# Altium PCB miniBackplane.PcbDoc (part 20 of 24) (continued)
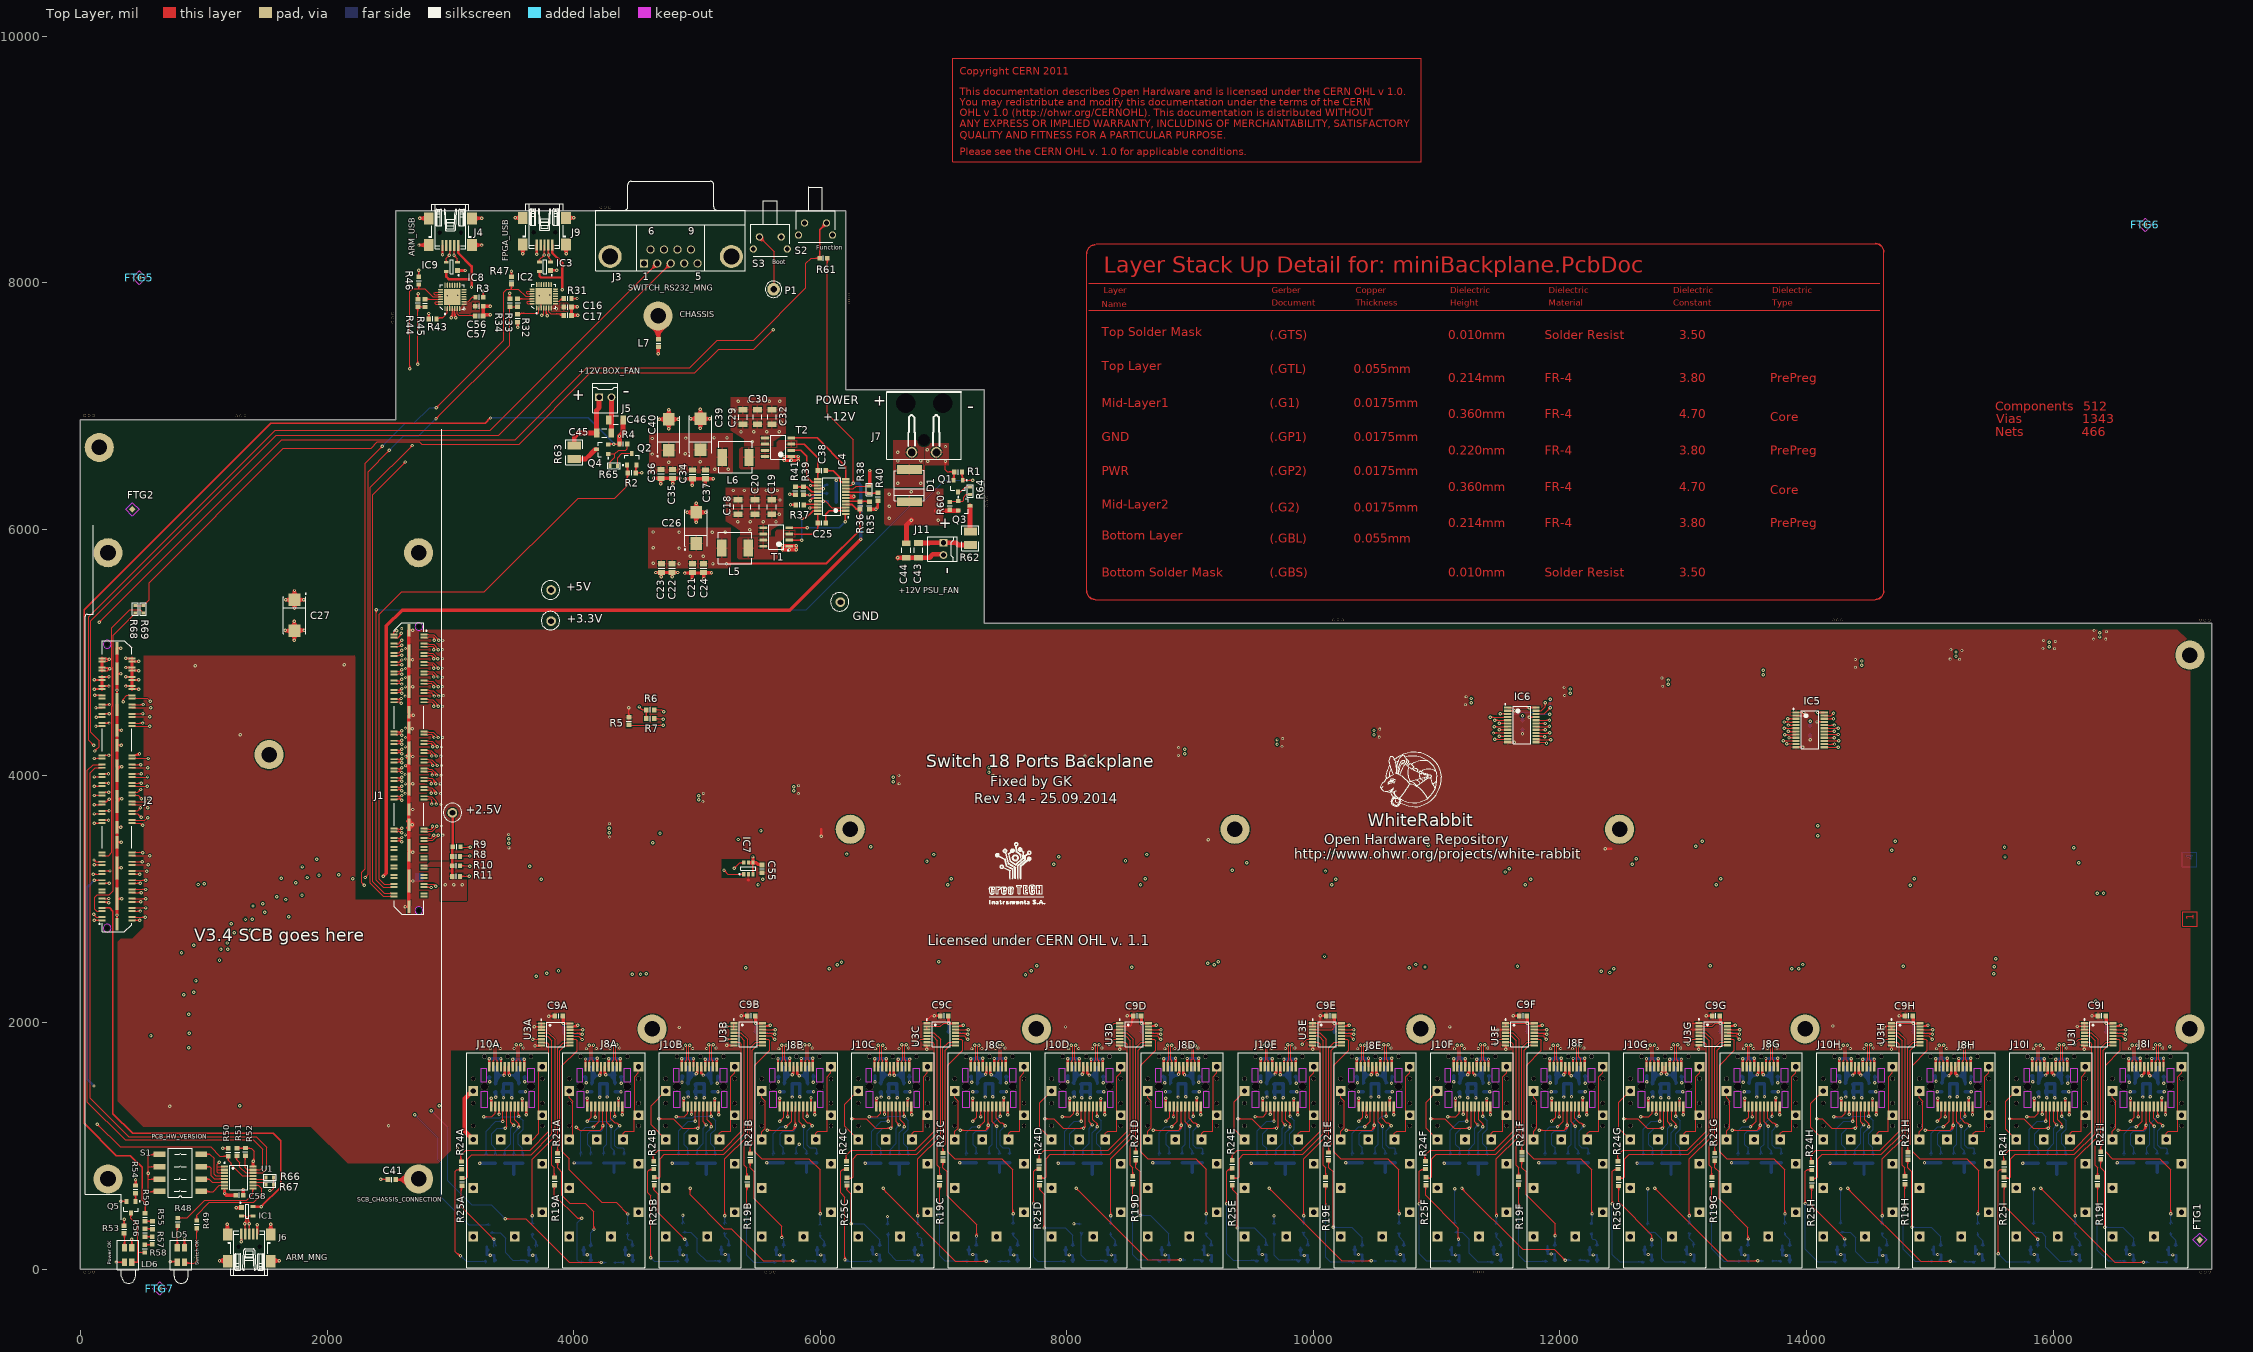
[diagram p0: Top Layer view]
## Nets (pads, with @x,y where several pads share a name; then routed paths per layer and width w, separated by ;. In a path a pad name is that pad's centre, name@x,y a point inside that pad or via, vN(x,y) a via of type N, cw(c..) or ccw(c..) an arc to the next point about the centre after c; other vN are vias at no path point) (continued)
NetLD2D_2: LD2D.2 R19D.2 | length 1418.4
  Top Layer w7.87: v1(8536.13,510.57) R19D.2@8536.13,682.13 ; 8536.13,534.33 ccw(c8559.89,534.33) 8543.09,517.53 cw(c8559.89,534.33) 8536.13,534.33 ; 8536.13,534.33 cw(c8512.36,534.33) 8529.17,517.53 ccw(c8512.36,534.33) 8536.13,534.33 ; R19D.2@8526.1,679.24 cw(c8501.89,655.03) 8536.13,655.03 ccw(c8501.89,655.03) R19D.2@8526.1,679.24 ; 8536.13,656.4 cw(c8568.42,656.4) 8545.59,679.24 ccw(c8568.42,656.4) 8536.13,656.4
  Bottom Layer w7.87: v1(8536.13,510.57) 8535.84,510.29 8535.84,114.18 8575.21,74.81 LD2D.2@8770.09,74.81 ; 8739.16,69.88 ccw(c8745.5,80.86) LD2D.2@8755.76,73.41 ; 8746.73,65.51 ccw(c8752.61,75.7) LD2D.2@8762.13,68.78 ; 8748.18,64.68 cw(c8743.02,55.75) LD2D.2@8752.98,58.41 ; v1@8529.17,503.61 cw(c8513.05,487.49) 8535.84,487.49 ccw(c8513.05,487.49) v1@8529.17,503.61 ; 8535.84,486.12 cw(c8560.57,486.12) 8543.09,503.61 ccw(c8560.57,486.12) 8535.84,486.12 ; 8698.81,74.81 cw(c8698.81,-8.29) 8757.57,50.47 ccw(c8698.81,-8.29) 8698.81,74.81 ; 8717.82,74.81 cw(c8717.82,10.72) 8763.13,56.04 ccw(c8717.82,10.72) 8717.82,74.81 ; 8736.83,74.81 cw(c8736.83,29.73) 8768.7,61.61 ccw(c8736.83,29.73) 8736.83,74.81
NetLD2D_3: LD2D.3 R21D.2 | length 1315.8
  Top Layer w7.87: R21D.2@8561.13,887.13 8561.13,823.62 8596.13,788.62 v1(8596.13,437.02) ; 8596.13,460.78 ccw(c8619.89,460.78) 8603.09,443.98 cw(c8619.89,460.78) 8596.13,460.78 ; 8596.13,460.78 cw(c8572.36,460.78) 8589.17,443.98 ccw(c8572.36,460.78) 8596.13,460.78 ; R21D.2@8551.69,872.15 cw(c8528.91,849.37) 8561.13,849.37 ccw(c8528.91,849.37) R21D.2@8551.69,872.15 ; 8561.13,847.89 cw(c8595.44,847.89) 8571.18,872.15 ccw(c8595.44,847.89) 8561.13,847.89
  Bottom Layer w7.87: v1(8596.13,437.02) 8677.57,437.02 8829.15,285.44 LD2D.3@8829.15,192.92 ; 8619.89,437.02 ccw(c8619.89,413.25) 8603.09,430.06 cw(c8619.89,413.25) 8619.89,437.02 ; 8619.89,437.02 cw(c8619.89,460.78) 8603.09,443.98 ccw(c8619.89,460.78) 8619.89,437.02 ; 8829.15,204.87 ccw(c8852.91,204.87) 8836.11,188.07 cw(c8852.91,204.87) 8829.15,204.87 ; 8829.15,204.87 cw(c8805.39,204.87) 8822.19,188.07 ccw(c8805.39,204.87) 8829.15,204.87 ; 8829.15,223.88 ccw(c8871.92,223.88) 8841.68,193.64 cw(c8871.92,223.88) 8829.15,223.88 ; 8829.15,223.88 cw(c8786.38,223.88) 8816.62,193.64 ccw(c8786.38,223.88) 8829.15,223.88
NetLD2E_2: LD2E.2 R19E.2 | length 1286.6
  Top Layer w7.87: v1@10101.13,507.87 R19E.2@10101.13,682.13 ; 10101.13,534.33 ccw(c10124.89,534.33) 10108.09,517.53 cw(c10124.89,534.33) 10101.13,534.33 ; 10101.13,534.33 cw(c10077.36,534.33) 10094.17,517.53 ccw(c10077.36,534.33) 10101.13,534.33 ; R19E.2@10091.06,671.37 cw(c10066.76,647.06) 10101.13,647.06 ccw(c10066.76,647.06) R19E.2@10091.06,671.37 ; 10101.13,648.62 cw(c10133.29,648.62) 10110.55,671.37 ccw(c10133.29,648.62) 10101.13,648.62
  Bottom Layer w7.87: v1(10101.13,510.57) 10101.13,96.14 10138.2,59.06 LD2E.2@10337.02,59.06 ; 10101.13,486.81 ccw(c10077.36,486.81) 10094.17,503.61 cw(c10077.36,486.81) 10101.13,486.81 ; 10101.13,486.81 cw(c10124.89,486.81) 10108.09,503.61 ccw(c10124.89,486.81) 10101.13,486.81 ; 10303.76,59.06 ccw(c10303.76,88.39) 10324.5,67.65 cw(c10303.76,88.39) 10303.76,59.06 ; 10303.76,59.06 cw(c10303.76,21.86) 10330.06,48.17 ccw(c10303.76,21.86) 10303.76,59.06 ; 10284.75,59.06 cw(c10284.75,2.85) 10324.5,42.6 ccw(c10284.75,2.85) 10284.75,59.06
NetLD2E_3: LD2E.3 R21E.2 | length 1404.5
  Top Layer w7.87: R21E.2@10126.13,887.13 10126.13,823.62 10161.13,788.62 v1(10161.13,338.07) ; 10161.13,361.83 ccw(c10184.89,361.83) 10168.09,345.03 cw(c10184.89,361.83) 10161.13,361.83 ; 10161.13,361.83 cw(c10137.36,361.83) 10154.17,345.03 ccw(c10137.36,361.83) 10161.13,361.83 ; R21E.2@10114.68,872.15 cw(c10087.05,844.53) 10126.13,844.53 ccw(c10087.05,844.53) R21E.2@10114.68,872.15 ; R21E.2@10120.25,877.72 cw(c10106.06,863.53) 10126.13,863.53 ccw(c10106.06,863.53) R21E.2@10120.25,877.72 ; 10126.13,852.74 cw(c10153.59,852.74) 10134.17,872.15 ccw(c10153.59,852.74) 10126.13,852.74
  Bottom Layer w7.87: v1(10161.13,338.07) 10311.95,338.07 10396.08,253.94 LD2E.3@10396.08,177.17 ; 10184.89,338.07 ccw(c10184.89,314.31) 10168.09,331.11 cw(c10184.89,314.31) 10184.89,338.07 ; 10184.89,338.07 cw(c10184.89,361.83) 10168.09,345.03 ccw(c10184.89,361.83) 10184.89,338.07 ; 10396.08,204.87 ccw(c10419.84,204.87) 10403.04,188.07 cw(c10419.84,204.87) 10396.08,204.87 ; 10396.08,204.87 cw(c10372.32,204.87) 10389.12,188.07 ccw(c10372.32,204.87) 10396.08,204.87 ; 10396.08,223.88 ccw(c10438.85,223.88) 10408.61,193.64 cw(c10438.85,223.88) 10396.08,223.88 ; 10396.08,223.88 cw(c10353.31,223.88) 10383.55,193.64 ccw(c10353.31,223.88) 10396.08,223.88
NetLD2F_2: LD2F.2 R19F.2 | length 1286.1
  Top Layer w7.87: v1(11665.69,510.57) R19F.2@11665.69,682.13 ; 11665.69,534.33 ccw(c11689.45,534.33) 11672.65,517.53 cw(c11689.45,534.33) 11665.69,534.33 ; 11665.69,534.33 cw(c11641.93,534.33) 11658.73,517.53 ccw(c11641.93,534.33) 11665.69,534.33 ; R19F.2@11655.59,675.3 cw(c11631.19,650.91) 11665.69,650.91 ccw(c11631.19,650.91) R19F.2@11655.59,675.3 ; 11665.69,652.65 cw(c11697.72,652.65) 11675.07,675.3 ccw(c11697.72,652.65) 11665.69,652.65
  Bottom Layer w7.87: v1(11665.69,510.57) 11665.69,113.82 11716.51,63 LD2F.2@11899.58,63 ; 11665.69,486.81 ccw(c11641.93,486.81) 11658.73,503.61 cw(c11641.93,486.81) 11665.69,486.81 ; 11665.69,486.81 cw(c11689.45,486.81) 11672.65,503.61 ccw(c11689.45,486.81) 11665.69,486.81 ; 11856.81,63 ccw(c11856.81,105.77) 11887.06,75.53 cw(c11856.81,105.77) 11856.81,63 ; 11856.81,63 cw(c11856.81,20.23) 11887.06,50.47 ccw(c11856.81,20.23) 11856.81,63 ; 11875.82,63 ccw(c11875.82,86.76) 11892.62,69.96 cw(c11875.82,86.76) 11875.82,63 ; 11875.82,63 cw(c11875.82,39.24) 11892.62,56.04 ccw(c11875.82,39.24) 11875.82,63
NetLD2F_3: LD2F.3 R21F.2 | length 1254.7
  Top Layer w7.87: R21F.2@11690.69,887.13 11690.69,823.62 11725.69,788.62 11725.69,601.06 11960.61,366.15 v1(11960.61,271.66) ; 11960.61,295.42 ccw(c11984.37,295.42) 11967.57,278.62 cw(c11984.37,295.42) 11960.61,295.42 ; 11960.61,295.42 cw(c11936.84,295.42) 11953.65,278.62 ccw(c11936.84,295.42) 11960.61,295.42 ; R21F.2@11681.18,876.09 cw(c11658.21,853.12) 11690.69,853.12 ccw(c11658.21,853.12) R21F.2@11681.18,876.09 ; 11690.69,852.02 cw(c11724.74,852.02) 11700.66,876.09 ccw(c11724.74,852.02) 11690.69,852.02
  Bottom Layer w7.87: LD2F.3@11958.64,181.11 11960.61,183.08 v1(11960.61,271.66) ; 11960.61,247.9 ccw(c11936.84,247.9) 11953.65,264.7 cw(c11936.84,247.9) 11960.61,247.9 ; 11960.61,247.9 cw(c11984.37,247.9) 11967.57,264.7 ccw(c11984.37,247.9) 11960.61,247.9 ; LD2F.3@11946.11,193.64 ccw(c11911.11,228.63) 11960.61,228.63 cw(c11911.11,228.63) LD2F.3@11946.11,193.64 ; LD2F.3@11951.68,188.07 ccw(c11930.12,209.62) 11960.61,209.62 cw(c11930.12,209.62) LD2F.3@11951.68,188.07 ; 11960.61,219.13 ccw(c11996.66,219.13) 11971.17,193.64 cw(c11996.66,219.13) 11960.61,219.13
NetLD2G_2: LD2G.2 R19G.2 | length 1259.2
  Top Layer w7.87: v1(13230.69,510.57) R19G.2@13230.69,682.13 ; 13230.69,534.33 ccw(c13254.45,534.33) 13237.65,517.53 cw(c13254.45,534.33) 13230.69,534.33 ; 13230.69,534.33 cw(c13206.93,534.33) 13223.73,517.53 ccw(c13206.93,534.33) 13230.69,534.33 ; R19G.2@13220.55,671.37 cw(c13196.06,646.87) 13230.69,646.87 ccw(c13196.06,646.87) R19G.2@13220.55,671.37 ; 13230.69,648.81 cw(c13262.59,648.81) 13240.03,671.37 ccw(c13262.59,648.81) 13230.69,648.81
  Bottom Layer w7.87: v1(13230.69,510.57) 13230.69,162.99 13330.68,63 LD2G.2@13466.51,63 ; 13230.69,486.81 ccw(c13206.93,486.81) 13223.73,503.61 cw(c13206.93,486.81) 13230.69,486.81 ; 13230.69,486.81 cw(c13254.45,486.81) 13237.65,503.61 ccw(c13254.45,486.81) 13230.69,486.81 ; 13423.74,63 ccw(c13423.74,105.77) 13453.98,75.53 cw(c13423.74,105.77) 13423.74,63 ; 13423.74,63 cw(c13423.74,20.23) 13453.98,50.47 ccw(c13423.74,20.23) 13423.74,63 ; 13442.75,63 ccw(c13442.75,86.76) 13459.55,69.96 cw(c13442.75,86.76) 13442.75,63 ; 13442.75,63 cw(c13442.75,39.24) 13459.55,56.04 ccw(c13442.75,39.24) 13442.75,63
NetLD2G_3: LD2G.3 R21G.2 | length 1285.4
  Top Layer w7.87: R21G.2@13255.69,887.13 13255.69,823.62 13290.69,788.62 13290.69,571.5 13525.57,336.62 v1@13525.57,240.16 ; R21G.2@13246.14,868.22 cw(c13223.07,845.15) 13255.69,845.15 ccw(c13223.07,845.15) R21G.2@13246.14,868.22 ; 13255.69,844.24 cw(c13289.6,844.24) 13265.63,868.22 ccw(c13289.6,844.24) 13255.69,844.24 ; v1@13520.58,251.06 ccw(c13508.53,263.11) 13525.57,263.11 cw(c13508.53,263.11) v1@13520.58,251.06 ; 13525.57,272.62 ccw(c13556.05,272.62) 13534.5,251.06 cw(c13556.05,272.62) 13525.57,272.62
  Bottom Layer w7.87: LD2G.3@13525.57,181.11 13525.57,242.13 v1(13527.54,244.1) ; 13525.57,204.87 ccw(c13549.33,204.87) 13532.53,188.07 cw(c13549.33,204.87) 13525.57,204.87 ; 13525.57,204.87 cw(c13501.8,204.87) 13518.61,188.07 ccw(c13501.8,204.87) 13525.57,204.87 ; 13525.57,223.88 ccw(c13568.34,223.88) 13538.09,193.64 cw(c13568.34,223.88) 13525.57,223.88 ; 13525.57,223.88 cw(c13482.8,223.88) 13513.04,193.64 ccw(c13482.8,223.88) 13525.57,223.88 ; v1@13520.58,237.14 cw(c13508.53,225.09) 13525.57,225.09 ccw(c13508.53,225.09) v1@13520.58,237.14 ; 13525.57,215.59 cw(c13556.05,215.59) 13534.5,237.14 ccw(c13556.05,215.59) 13525.57,215.59
NetLD2H_2: LD2H.2 R19H.2 | length 1529
  Top Layer w7.87: v1(14795.69,510.57) R19H.2@14795.69,682.13 ; 14795.69,534.33 ccw(c14819.45,534.33) 14802.65,517.53 cw(c14819.45,534.33) 14795.69,534.33 ; 14795.69,534.33 cw(c14771.93,534.33) 14788.73,517.53 ccw(c14771.93,534.33) 14795.69,534.33 ; R19H.2@14787.48,679.24 cw(c14767.64,659.41) 14795.69,659.41 ccw(c14767.64,659.41) R19H.2@14787.48,679.24 ; 14795.69,652.03 cw(c14834.17,652.03) 14806.96,679.24 ccw(c14834.17,652.03) 14795.69,652.03 ; 14795.69,671.04 cw(c14815.17,671.04) 14801.4,684.81 ccw(c14815.17,671.04) 14795.69,671.04
  Bottom Layer w7.87: 14785.58,489.25 ccw(c14768.61,499.04) v1@14786.64,506.72 ; v1@14787.67,504.87 cw(c14769.02,491.64) 14788.7,480.01 ; 14787.75,493.02 cw(c14802.71,484.38) v1@14798.24,501.06 ; v1@14794.09,509.43 cw(c14779.86,499.33) 14794.88,490.46 ; v1(14795.69,510.57) 14783.44,498.32 14783.44,161.42 14881.87,63 LD2H.2@15029.5,63 ; 14986.73,63 ccw(c14986.73,105.77) 15016.98,75.53 cw(c14986.73,105.77) 14986.73,63 ; 14986.73,63 cw(c14986.73,20.23) 15016.98,50.47 ccw(c14986.73,20.23) 14986.73,63 ; 15005.74,63 ccw(c15005.74,86.76) 15022.54,69.96 cw(c15005.74,86.76) 15005.74,63 ; 15005.74,63 cw(c15005.74,39.24) 15022.54,56.04 ccw(c15005.74,39.24) 15005.74,63 ; 14783.44,457.23 cw(c14849.03,457.23) 14802.65,503.61 ccw(c14849.03,457.23) 14783.44,457.23 ; 14783.44,476.24 cw(c14830.02,476.24) 14797.08,509.18 ccw(c14830.02,476.24) 14783.44,476.24 ; 14783.44,495.25 cw(c14811.01,495.25) 14791.52,514.75 ccw(c14811.01,495.25) 14783.44,495.25
NetLD2H_3: LD2H.3 R21H.2 | length 1371.5
  Top Layer w7.87: R21H.2@14820.69,887.13 14820.69,823.62 14855.69,788.62 v1(14855.69,338.07) ; 14855.69,361.83 ccw(c14879.45,361.83) 14862.65,345.03 cw(c14879.45,361.83) 14855.69,361.83 ; 14855.69,361.83 cw(c14831.93,361.83) 14848.73,345.03 ccw(c14831.93,361.83) 14855.69,361.83 ; R21H.2@14811.1,876.09 cw(c14787.94,852.93) 14820.69,852.93 ccw(c14787.94,852.93) R21H.2@14811.1,876.09 ; 14820.69,852.21 cw(c14854.47,852.21) 14830.59,876.09 ccw(c14854.47,852.21) 14820.69,852.21
  Bottom Layer w7.87: v1(14855.69,338.07) 15012.31,338.07 15088.56,261.82 LD2H.3@15088.56,181.11 ; 14879.45,338.07 ccw(c14879.45,314.31) 14862.65,331.11 cw(c14879.45,314.31) 14879.45,338.07 ; 14879.45,338.07 cw(c14879.45,361.83) 14862.65,345.03 ccw(c14879.45,361.83) 14879.45,338.07 ; 15088.56,204.87 ccw(c15112.32,204.87) 15095.52,188.07 cw(c15112.32,204.87) 15088.56,204.87 ; 15088.56,204.87 cw(c15064.8,204.87) 15081.6,188.07 ccw(c15064.8,204.87) 15088.56,204.87 ; 15088.56,223.88 ccw(c15131.33,223.88) 15101.09,193.64 cw(c15131.33,223.88) 15088.56,223.88 ; 15088.56,223.88 cw(c15045.79,223.88) 15076.03,193.64 ccw(c15045.79,223.88) 15088.56,223.88
NetLD2I_2: LD2I.2 R19I.2 | length 1244.7
  Top Layer w7.87: v1@16360.69,511.81 R19I.2@16360.69,682.13 ; 16360.69,534.33 ccw(c16384.45,534.33) 16367.65,517.53 cw(c16384.45,534.33) 16360.69,534.33 ; 16360.69,534.33 cw(c16336.93,534.33) 16353.73,517.53 ccw(c16336.93,534.33) 16360.69,534.33 ; R19I.2@16351.53,671.37 cw(c16329.42,649.25) 16360.69,649.25 ccw(c16329.42,649.25) R19I.2@16351.53,671.37 ; 16360.69,646.44 cw(c16395.95,646.44) 16371.02,671.37 ccw(c16395.95,646.44) 16360.69,646.44
  Bottom Layer w7.87: v1(16360.69,510.57) 16359.31,509.18 16359.31,153.55 16445.92,66.94 LD2I.2@16593.56,66.94 ; 16560.29,66.94 ccw(c16560.29,96.27) 16581.03,75.53 cw(c16560.29,96.27) 16560.29,66.94 ; 16560.29,66.94 cw(c16560.29,29.73) 16586.6,56.04 ccw(c16560.29,29.73) 16560.29,66.94 ; v1@16353.73,503.61 cw(c16340.28,490.15) 16359.31,490.15 ccw(c16340.28,490.15) v1@16353.73,503.61 ; 16359.31,483.46 cw(c16387.8,483.46) 16367.65,503.61 ccw(c16387.8,483.46) 16359.31,483.46 ; 16541.28,66.94 cw(c16541.28,10.72) 16581.03,50.47 ccw(c16541.28,10.72) 16541.28,66.94
NetLD2I_3: LD2I.3 R21I.2 | length 1359.1
  Top Layer w7.87: R21I.2@16385.69,887.13 16385.69,823.62 16420.69,788.62 v1(16420.69,338.07) ; 16420.69,361.83 ccw(c16444.45,361.83) 16427.65,345.03 cw(c16444.45,361.83) 16420.69,361.83 ; 16420.69,361.83 cw(c16396.93,361.83) 16413.73,345.03 ccw(c16396.93,361.83) 16420.69,361.83 ; R21I.2@16375.15,880.03 cw(c16349.71,854.59) 16385.69,854.59 ccw(c16349.71,854.59) R21I.2@16375.15,880.03 ; 16385.69,858.42 cw(c16416.24,858.42) 16394.64,880.03 ccw(c16416.24,858.42) 16385.69,858.42
  Bottom Layer w7.87: v1(16420.69,338.07) 16563.5,338.07 16652.61,248.96 LD2I.3@16652.61,185.05 ; 16444.45,338.07 ccw(c16444.45,314.31) 16427.65,331.11 cw(c16444.45,314.31) 16444.45,338.07 ; 16444.45,338.07 cw(c16444.45,361.83) 16427.65,345.03 ccw(c16444.45,361.83) 16444.45,338.07 ; 16652.61,204.87 ccw(c16676.38,204.87) 16659.57,188.07 cw(c16676.38,204.87) 16652.61,204.87 ; 16652.61,204.87 cw(c16628.85,204.87) 16645.65,188.07 ccw(c16628.85,204.87) 16652.61,204.87 ; 16652.61,223.88 ccw(c16695.39,223.88) 16665.14,193.64 cw(c16695.39,223.88) 16652.61,223.88 ; 16652.61,223.88 cw(c16609.84,223.88) 16640.09,193.64 ccw(c16609.84,223.88) 16652.61,223.88
NetLD3A_2: LD3A.2 R22A.2 | length 963.2
  Bottom Layer w7.87: R22A.2@3324.67,294.91 3404.24,294.91 3448.83,250.31 3448.83,132.2 3507.89,73.15 LD3A.2@3639.78,73.15 ; 3608.84,68.22 ccw(c3615.18,79.2) LD3A.2@3625.45,71.75 ; 3616.42,63.85 ccw(c3622.3,74.04) LD3A.2@3631.82,67.12 ; 3617.86,63.01 cw(c3612.71,54.08) LD3A.2@3622.67,56.75 ; R22A.2@3328.99,301.73 ccw(c3345.46,318.2) 3345.46,294.91 cw(c3345.46,318.2) R22A.2@3328.99,301.73 ; R22A.2@3334.56,287.82 cw(c3351.7,270.68) 3351.7,294.91 ccw(c3351.7,270.68) R22A.2@3334.56,287.82 ; R22A.2@3334.56,307.3 ccw(c3364.47,337.21) 3364.47,294.91 cw(c3364.47,337.21) R22A.2@3334.56,307.3 ; 3568.49,73.15 cw(c3568.49,-9.95) 3627.25,48.81 ccw(c3568.49,-9.95) 3568.49,73.15 ; 3587.5,73.15 cw(c3587.5,9.06) 3632.82,54.38 ccw(c3587.5,9.06) 3587.5,73.15 ; 3606.51,73.15 cw(c3606.51,28.07) 3638.39,59.95 ccw(c3606.51,28.07) 3606.51,73.15
NetLD3A_3: LD3A.3 R23A.2 | length 421.2
  Bottom Layer w7.87: R23A.2@3664.67,294.91 R23A.2@3673.24,286.34 ; R23A.2@3665.37,286.34 3665.37,258.19 3694.9,228.66 ; LD3A.3@3694.9,175.51 3694.9,228.66 ; 3665.37,260.35 ccw(c3632.1,260.35) 3655.63,283.88 cw(c3632.1,260.35) 3665.37,260.35 ; 3665.37,260.36 cw(c3698.64,260.36) 3675.11,283.88 ccw(c3698.64,260.36) 3665.37,260.36 ; 3694.9,228.66 ccw(c3743.93,228.66) 3710.8,192.51 cw(c3743.93,228.66) 3694.9,228.66 ; LD3A.3@3686.31,191.98 ccw(c3665.57,212.72) 3694.9,212.72 cw(c3665.57,212.72) LD3A.3@3686.31,191.98 ; 3694.9,210.76 ccw(c3727.53,210.76) 3705.48,186.71 cw(c3727.53,210.76) 3694.9,210.76
NetLD3B_2: LD3B.2 R22B.2 | length 804.4
  Bottom Layer w7.87: R22B.2@4886.13,296.57 4951.87,296.57 5004.35,244.09 5004.35,137.79 5075.21,66.93 LD3B.2@5199.23,66.93 ; 5165.96,66.93 ccw(c5165.96,96.26) 5186.7,75.52 cw(c5165.96,96.26) 5165.96,66.93 ; 5165.96,66.93 cw(c5165.96,29.72) 5192.27,56.03 ccw(c5165.96,29.72) 5165.96,66.93 ; R22B.2@4892.38,303.39 ccw(c4908.85,319.86) 4908.85,296.57 cw(c4908.85,319.86) R22B.2@4892.38,303.39 ; R22B.2@4897.95,289.47 cw(c4915.08,272.33) 4915.08,296.57 ccw(c4915.08,272.33) R22B.2@4897.95,289.47 ; R22B.2@4897.95,308.96 ccw(c4927.86,338.87) 4927.86,296.57 cw(c4927.86,338.87) R22B.2@4897.95,308.96 ; 5146.95,66.93 cw(c5146.95,10.72) 5186.7,50.46 ccw(c5146.95,10.72) 5146.95,66.93
NetLD3B_3: LD3B.3 R23B.2 | length 438.4
  Bottom Layer w7.87: R23B.2@5226.13,296.57 5226.13,264.31 5258.28,232.16 LD3B.3@5258.28,185.04 ; 5258.28,204.86 ccw(c5282.05,204.86) 5265.24,188.06 cw(c5282.05,204.86) 5258.28,204.86 ; 5258.28,204.86 cw(c5234.52,204.86) 5251.32,188.06 ccw(c5234.52,204.86) 5258.28,204.86 ; 5258.28,223.87 ccw(c5301.05,223.87) 5270.81,193.63 cw(c5301.05,223.87) 5258.28,223.87 ; 5258.28,223.87 cw(c5215.51,223.87) 5245.76,193.63 ccw(c5215.51,223.87) 5258.28,223.87 ; R23B.2@5217.04,289.47 cw(c5195.12,267.54) 5226.13,267.54 ccw(c5195.12,267.54) R23B.2@5217.04,289.47 ; 5226.13,264.35 cw(c5261.65,264.35) 5236.53,289.47 ccw(c5261.65,264.35) 5226.13,264.35
NetLD3C_2: LD3C.2 R22C.2 | length 834.8
  Bottom Layer w7.87: R22C.2@6555.12,299.21 6555.12,130.34 6614.58,70.87 LD3C.2@6766.16,70.87 ; 6744.24,64.68 cw(c6739.08,55.75) LD3C.2@6749.04,58.41 ; 6742.4,70.87 ccw(c6742.4,86.76) 6753.63,75.53 cw(c6742.4,86.76) 6742.4,70.87 ; 6742.4,70.87 cw(c6742.4,39.24) 6764.77,61.61 ccw(c6742.4,39.24) 6742.4,70.87 ; R22C.2@6539.47,281.59 cw(c6501.69,243.81) 6555.12,243.81 ccw(c6501.69,243.81) R22C.2@6539.47,281.59 ; R22C.2@6545.04,287.16 cw(c6520.7,262.82) 6555.12,262.82 ccw(c6520.7,262.82) R22C.2@6545.04,287.16 ; 6555.12,272.33 cw(c6568.22,272.33) 6558.96,281.59 ccw(c6568.22,272.33) 6555.12,272.33 ; 6704.38,70.87 cw(c6704.38,1.22) 6753.63,50.47 ccw(c6704.38,1.22) 6704.38,70.87 ; 6723.39,70.87 cw(c6723.39,20.23) 6759.2,56.04 ccw(c6723.39,20.23) 6723.39,70.87
NetLD3C_3: LD3C.3 R23C.2 | length 443.3
  Bottom Layer w7.87: R23C.2@6791.13,296.57 6791.13,264.41 6795.68,259.85 6809.46,259.85 6825.21,244.1 LD3C.3@6825.21,188.98 ; 6825.21,204.87 ccw(c6848.97,204.87) 6832.17,188.07 cw(c6848.97,204.87) 6825.21,204.87 ; 6825.21,204.87 cw(c6801.45,204.87) 6818.25,188.07 ccw(c6801.45,204.87) 6825.21,204.87 ; 6825.21,223.88 ccw(c6867.98,223.88) 6837.74,193.64 cw(c6867.98,223.88) 6825.21,223.88 ; 6825.21,223.88 cw(c6782.44,223.88) 6812.69,193.64 ccw(c6782.44,223.88) 6825.21,223.88 ; R23C.2@6782,289.48 cw(c6759.98,267.46) 6791.13,267.46 ccw(c6759.98,267.46) R23C.2@6782,289.48 ; 6791.13,264.45 cw(c6826.52,264.45) 6801.49,289.48 ccw(c6826.52,264.45) 6791.13,264.45
NetLD3D_2: LD3D.2 R22D.2 | length 800.2
  Bottom Layer w7.87: R22D.2@8118.11,303.15 8118.11,110.65 8157.89,70.87 LD3D.2@8333.09,70.87 ; 8311.17,64.68 cw(c8306.01,55.75) LD3D.2@8315.97,58.41 ; 8118.11,269.88 ccw(c8084.84,269.88) 8108.37,293.41 cw(c8084.84,269.88) 8118.11,269.88 ; 8118.11,269.88 cw(c8151.38,269.88) 8127.85,293.41 ccw(c8151.38,269.88) 8118.11,269.88 ; 8309.32,70.87 ccw(c8309.32,86.76) 8320.56,75.53 cw(c8309.32,86.76) 8309.32,70.87 ; 8309.32,70.87 cw(c8309.32,39.24) 8331.69,61.61 ccw(c8309.32,39.24) 8309.32,70.87 ; 8271.31,70.87 cw(c8271.31,1.22) 8320.56,50.47 ccw(c8271.31,1.22) 8271.31,70.87 ; 8290.31,70.87 cw(c8290.31,20.23) 8326.13,56.04 ccw(c8290.31,20.23) 8290.31,70.87
NetLD3D_3: LD3D.3 R23D.2 | length 395.3
  Bottom Layer w7.87: R23D.2@8356.13,296.57 8356.13,270.28 8392.14,234.26 LD3D.3@8392.14,188.98 ; 8356.13,270.27 ccw(c8339.6,270.27) 8348.93,283.91 cw(c8339.6,270.27) 8356.13,270.27 ; 8356.13,270.27 cw(c8371.31,270.27) 8363.66,283.38 ccw(c8371.31,270.27) 8356.13,270.27 ; 8392.14,204.87 ccw(c8415.9,204.87) 8399.1,188.07 cw(c8415.9,204.87) 8392.14,204.87 ; 8392.14,204.87 cw(c8368.38,204.87) 8385.18,188.07 ccw(c8368.38,204.87) 8392.14,204.87 ; 8392.14,223.88 ccw(c8434.91,223.88) 8404.67,193.64 cw(c8434.91,223.88) 8392.14,223.88 ; 8392.14,223.88 cw(c8349.37,223.88) 8379.61,193.64 ccw(c8349.37,223.88) 8392.14,223.88
NetLD3E_2: LD3E.2 R22E.2 | length 893.9
  Bottom Layer w7.87: R22E.2@9685.04,295.28 9685.04,110.65 9720.88,74.81 LD3E.2@9896.08,74.81 ; 9865.14,69.88 ccw(c9871.48,80.86) LD3E.2@9881.74,73.41 ; 9872.72,65.51 ccw(c9878.6,75.7) LD3E.2@9888.12,68.78 ; 9874.16,64.68 cw(c9869.01,55.75) LD3E.2@9878.97,58.41 ; R22E.2@9673.33,285.53 cw(c9645.05,257.26) 9685.04,257.26 ccw(c9645.05,257.26) R22E.2@9673.33,285.53 ; R22E.2@9678.9,291.1 cw(c9664.06,276.27) 9685.04,276.27 ccw(c9664.06,276.27) R22E.2@9678.9,291.1 ; 9685.04,266.76 cw(c9711.59,266.76) 9692.81,285.53 ccw(c9711.59,266.76) 9685.04,266.76 ; 9824.79,74.81 cw(c9824.79,-8.29) 9883.55,50.47 ccw(c9824.79,-8.29) 9824.79,74.81 ; 9843.8,74.81 cw(c9843.8,10.72) 9889.12,56.04 ccw(c9843.8,10.72) 9843.8,74.81 ; 9862.81,74.81 cw(c9862.81,29.73) 9894.69,61.61 ccw(c9862.81,29.73) 9862.81,74.81
NetLD3E_3: LD3E.3 R23E.2 | length 427.1
  Bottom Layer w7.87: R23E.2@9921.13,296.57 9921.13,272.2 ; LD3E.3@9955.13,192.92 9955.13,238.2 9921.13,272.2 ; 9921.13,272.18 ccw(c9887.21,272.18) 9910.31,297.01 cw(c9887.21,272.18) 9921.13,272.18 ; 9955.13,204.87 ccw(c9978.9,204.87) 9962.09,188.07 cw(c9978.9,204.87) 9955.13,204.87 ; 9955.13,204.87 cw(c9931.37,204.87) 9948.17,188.07 ccw(c9931.37,204.87) 9955.13,204.87 ; 9955.13,223.88 ccw(c9997.91,223.88) 9967.66,193.64 cw(c9997.91,223.88) 9955.13,223.88 ; 9955.13,223.88 cw(c9912.36,223.88) 9942.61,193.64 ccw(c9912.36,223.88) 9955.13,223.88 ; 9921.13,277.27 cw(c9949.53,277.27) 9929.44,297.35 ccw(c9949.53,277.27) 9921.13,277.27
NetLD3F_2: LD3F.2 R22F.2 | length 813.7
  Bottom Layer w7.87: R22F.2@11145.69,296.57 11207.35,296.57 11263.76,240.17 11263.76,129.93 11334.62,59.06 LD3F.2@11462.57,59.06 ; 11429.31,59.06 ccw(c11429.31,88.39) 11450.05,67.65 cw(c11429.31,88.39) 11429.31,59.06 ; 11429.31,59.06 cw(c11429.31,21.86) 11455.61,48.17 ccw(c11429.31,21.86) 11429.31,59.06 ; R22F.2@11151.79,303.4 ccw(c11168.26,319.86) 11168.26,296.57 cw(c11168.26,319.86) R22F.2@11151.79,303.4 ; R22F.2@11157.36,289.48 cw(c11174.49,272.34) 11174.49,296.57 ccw(c11174.49,272.34) R22F.2@11157.36,289.48 ; R22F.2@11157.36,308.96 ccw(c11187.27,338.87) 11187.27,296.57 cw(c11187.27,338.87) R22F.2@11157.36,308.96 ; 11410.3,59.06 cw(c11410.3,2.85) 11450.05,42.6 ccw(c11410.3,2.85) 11410.3,59.06
NetLD3F_3: LD3F.3 R23F.2 | length 437.2
  Bottom Layer w7.87: R23F.2@11485.69,296.57 11485.69,258.39 11521.63,222.45 ; LD3F.3@11521.63,177.17 11521.63,222.45 ; 11521.63,204.07 ccw(c11543.5,204.07) 11528.42,188.24 cw(c11543.5,204.07) 11521.63,204.07 ; 11521.63,204.07 cw(c11499.76,204.07) 11514.84,188.24 ccw(c11499.76,204.07) 11521.63,204.07 ; 11521.63,222.45 ccw(c11561,222.45) 11533.85,193.94 cw(c11561,222.45) 11521.63,222.45 ; 11521.63,222.45 cw(c11482.26,222.45) 11509.41,193.94 ccw(c11482.26,222.45) 11521.63,222.45 ; R23F.2@11476.45,285.54 cw(c11454.15,263.23) 11485.69,263.23 ccw(c11454.15,263.23) R23F.2@11476.45,285.54 ; 11485.69,260.8 cw(c11520.68,260.8) 11495.94,285.54 ccw(c11520.68,260.8) 11485.69,260.8
NetLD3G_2: LD3G.2 R22G.2 | length 853.3
  Bottom Layer w7.87: R22G.2@12710.69,296.57 12770.34,296.57 12826.75,240.17 12826.75,82.68 12850.37,59.06 LD3G.2@13025.57,59.06 ; 12992.3,59.06 ccw(c12992.3,88.39) 13013.04,67.65 cw(c12992.3,88.39) 12992.3,59.06 ; 12992.3,59.06 cw(c12992.3,21.86) 13018.61,48.17 ccw(c12992.3,21.86) 12992.3,59.06 ; R22G.2@12718.72,287.17 cw(c12741.42,264.47) 12741.42,296.57 ccw(c12741.42,264.47) R22G.2@12718.72,287.17 ; R22G.2@12724.29,281.6 cw(c12760.43,245.46) 12760.43,296.57 ccw(c12760.43,245.46) R22G.2@12724.29,281.6 ; R22G.2@12724.29,301.09 ccw(c12735.19,311.99) 12735.19,296.57 cw(c12735.19,311.99) R22G.2@12724.29,301.09 ; 12973.29,59.06 cw(c12973.29,2.85) 13013.04,42.6 ccw(c12973.29,2.85) 12973.29,59.06
NetLD3G_3: LD3G.3 R23G.2 | length 326.6
  Bottom Layer w7.87: R23G.2@13050.69,296.57 13050.69,248.5 13084.62,214.57 ; LD3G.3@13084.62,177.17 13084.62,214.57 ; 13084.62,214.57 ccw(c13107.37,214.57) 13094.58,195.76 cw(c13107.37,214.57) 13084.62,214.57 ; 13084.62,214.57 cw(c13061.88,214.57) 13074.66,195.76 ccw(c13061.88,214.57) 13084.62,214.57 ; R23G.2@13041.41,289.48 cw(c13019.01,267.08) 13050.69,267.08 ccw(c13019.01,267.08) R23G.2@13041.41,289.48 ; 13050.69,264.83 cw(c13085.55,264.83) 13060.9,289.48 ccw(c13085.55,264.83) 13050.69,264.83
NetLD3H_2: LD3H.2 R22H.2 | length 845.6
  Bottom Layer w7.87: R22H.2@14275.69,296.57 14356.95,296.57 14397.61,255.91 14397.61,141.74 14484.23,55.13 14576.75,55.13 LD3H.2@14576.75,82.68 ; 14549.72,55.13 ccw(c14549.72,97.9) 14579.97,67.65 cw(c14549.72,97.9) 14549.72,55.13 ; 14549.72,55.13 cw(c14549.72,12.35) 14579.97,42.6 ccw(c14549.72,12.35) 14549.72,55.13 ; 14568.73,55.13 ccw(c14568.73,78.89) 14585.54,62.09 cw(c14568.73,78.89) 14568.73,55.13 ; 14568.73,55.13 cw(c14568.73,31.36) 14585.54,48.17 ccw(c14568.73,31.36) 14568.73,55.13 ; R22H.2@14281.71,303.4 ccw(c14298.18,319.86) 14298.18,296.57 cw(c14298.18,319.86) R22H.2@14281.71,303.4 ; R22H.2@14287.28,289.48 cw(c14304.41,272.34) 14304.41,296.57 ccw(c14304.41,272.34) R22H.2@14287.28,289.48 ; R22H.2@14287.28,308.96 ccw(c14317.19,338.87) 14317.19,296.57 cw(c14317.19,338.87) R22H.2@14287.28,308.96
NetLD3H_3: LD3H.3 R23H.2 | length 406
  Bottom Layer w7.87: R23H.2@14615.69,296.57 14615.69,272.09 14651.55,236.23 LD3H.3@14651.55,185.05 ; 14651.55,204.87 ccw(c14675.31,204.87) 14658.51,188.07 cw(c14675.31,204.87) 14651.55,204.87 ; 14651.55,204.87 cw(c14627.79,204.87) 14644.59,188.07 ccw(c14627.79,204.87) 14651.55,204.87 ; 14651.55,223.88 ccw(c14694.32,223.88) 14664.08,193.64 cw(c14694.32,223.88) 14651.55,223.88 ; 14651.55,223.88 cw(c14608.78,223.88) 14639.02,193.64 ccw(c14608.78,223.88) 14651.55,223.88 ; R23H.2@14606.27,286.77 cw(c14599.18,271.86) 14615.69,271.86 ccw(c14599.18,271.86) R23H.2@14606.27,286.77 ; 14615.69,274.43 cw(c14636.97,274.43) 14621.92,289.48 ccw(c14636.97,274.43) 14615.69,274.43
NetLD3I_2: LD3I.2 R22I.2 | length 777.5
  Bottom Layer w7.87: R22I.2@15840.69,296.57 15909.2,296.57 15941.98,263.79 15941.98,176.12 16055.11,63 LD3I.2@16156.55,63 ; 16113.78,63 ccw(c16113.78,105.77) 16144.02,75.53 cw(c16113.78,105.77) 16113.78,63 ; 16113.78,63 cw(c16113.78,20.23) 16144.02,50.47 ccw(c16113.78,20.23) 16113.78,63 ; 16132.79,63 ccw(c16132.79,86.76) 16149.59,69.96 cw(c16132.79,86.76) 16132.79,63 ; 16132.79,63 cw(c16132.79,39.24) 16149.59,56.04 ccw(c16132.79,39.24) 16132.79,63 ; R22I.2@15851.33,285.54 cw(c15877.97,258.9) 15877.97,296.57 ccw(c15877.97,258.9) R22I.2@15851.33,285.54 ; R22I.2@15851.33,305.03 ccw(c15871.74,325.43) 15871.74,296.57 cw(c15871.74,325.43) R22I.2@15851.33,305.03
NetLD3I_3: LD3I.3 R23I.2 | length 432.8
  Bottom Layer w7.87: R23I.2@16180.69,296.57 16180.69,257.36 16215.61,222.45 ; LD3I.3@16215.61,181.11 16215.61,222.45 ; 16215.61,204.07 ccw(c16237.48,204.07) 16222.39,188.24 cw(c16237.48,204.07) 16215.61,204.07 ; 16215.61,204.07 cw(c16193.74,204.07) 16208.82,188.24 ccw(c16193.74,204.07) 16215.61,204.07 ; 16215.61,222.45 ccw(c16254.97,222.45) 16227.82,193.94 cw(c16254.97,222.45) 16215.61,222.45 ; 16215.61,222.45 cw(c16176.24,222.45) 16203.39,193.94 ccw(c16176.24,222.45) 16215.61,222.45 ; R23I.2@16170.43,289.48 cw(c16145.65,264.7) 16180.69,264.7 ccw(c16145.65,264.7) R23I.2@16170.43,289.48 ; 16180.69,267.21 cw(c16212.19,267.21) 16189.92,289.48 ccw(c16212.19,267.21) 16180.69,267.21